# Altium PCB spd150.PcbDoc (part 14 of 16)
Units mm, origin at the board's own origin, x right, y up, seen from the top; angles counter-clockwise.
Board outline 217.35 x 147.5 mm, 10 copper layers (TOP, LYR2-PLN, LYR3-SIG, LYR4-SIG, LYR5-PLN, LYR6-PLN, LYR7-SIG, LYR8-SIG, LYR9-PLN, BOTTOM), stack 2.134 mm thick; 1065 components, 972 nets, 4226 pads, 2810 vias.
Unrouted connection lines stored in the file: 16.
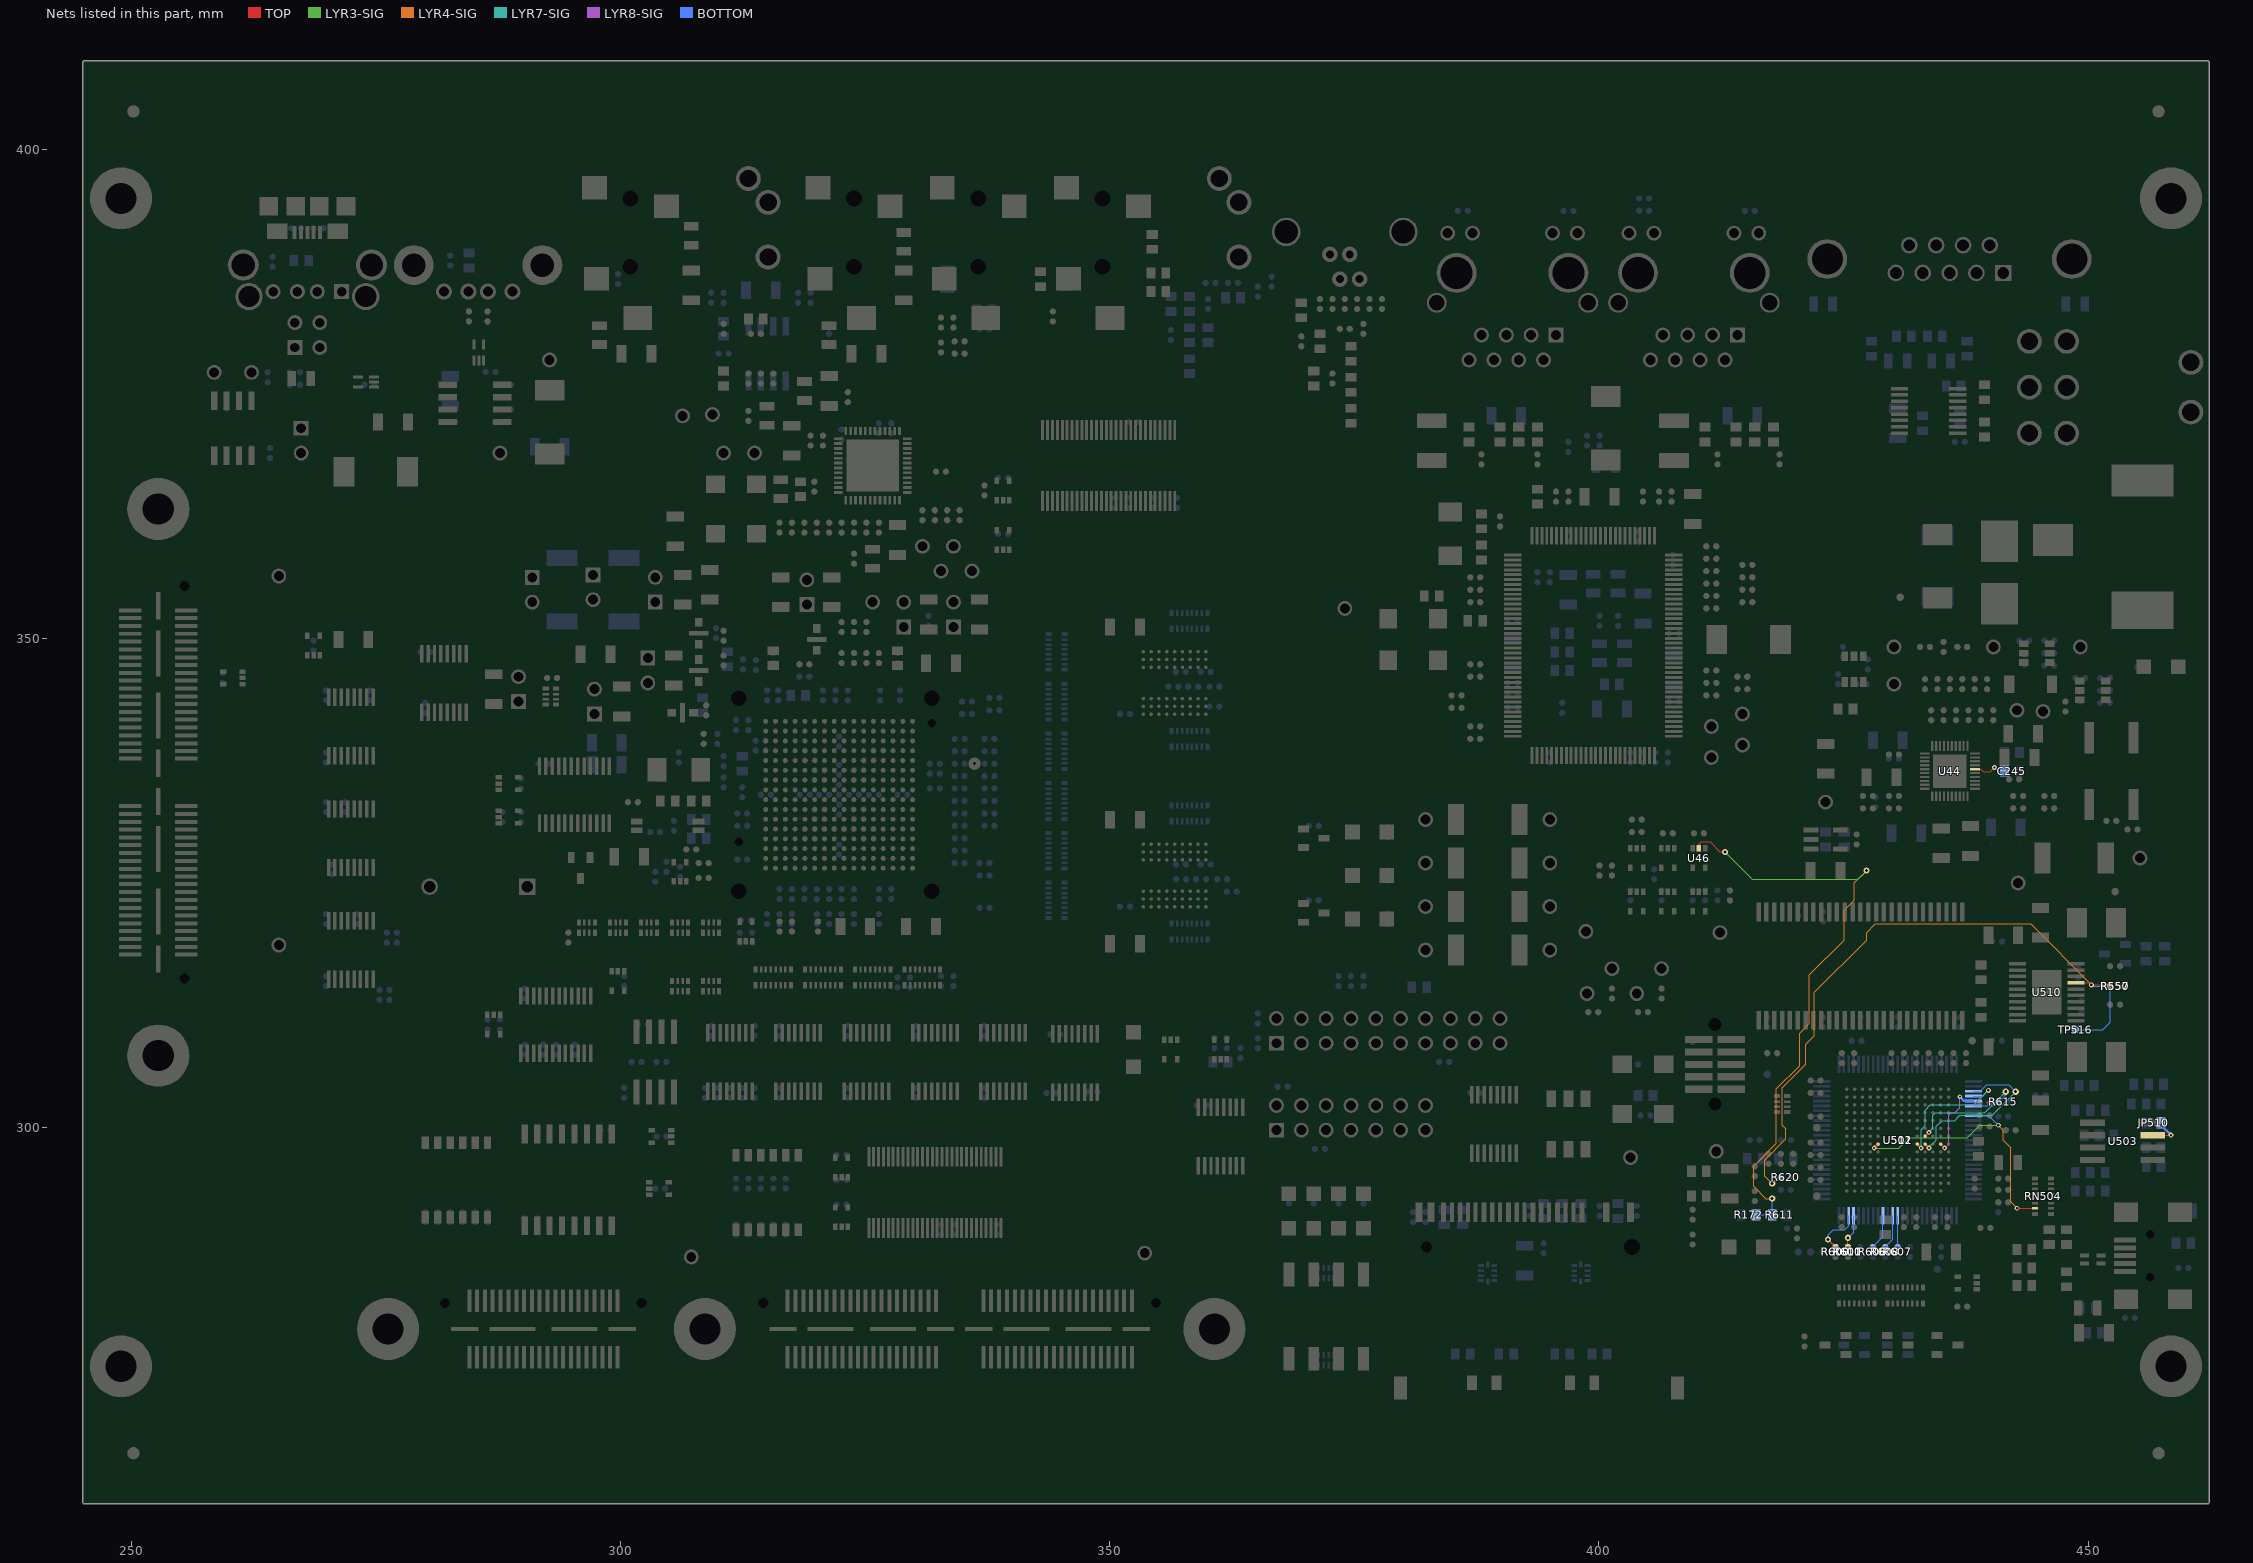
[diagram p22: the nets of this part, all layers, seen from the top]

## Via types
v1: diameter 0.635, hole 0.305, TOP to BOTTOM, 2018 vias
v2: diameter 0.483, hole 0.203, TOP to BOTTOM, 651 vias
v3: diameter 0.508, hole 0.254, TOP to BOTTOM, 120 vias
v4: diameter 0.559, hole 0.254, TOP to BOTTOM, 21 vias

## Nets (pads, with @x,y where several pads share a name; then routed paths per layer and width w, separated by ;. In a path a pad name is that pad's centre, name@x,y a point inside that pad or via, vN(x,y) a via of type N, cw(c..) or ccw(c..) an arc to the next point about the centre after c; other vN are vias at no path point) (continued)
VREG_RSN: R550.2 R557.2 R620.2 TP516.1 U510.7 | length 70.8
  TOP w0.127: U510.7@448.757,314.792 450.129,314.792 v3(450.342,314.579) 452.12,314.579 R557.2@452.247,314.452
  LYR4-SIG w0.127: v1(417.703,294.259) 416.941,295.021 416.941,296.672 419.1,298.831 419.1,299.847 418.719,300.228 418.719,304.038 421.132,306.451 421.132,308.483 422.021,309.372 422.021,313.817 427.355,319.151 427.355,319.913 428.244,320.802 444.119,320.802 v3(450.342,314.579)
  BOTTOM w0.127: v1(417.703,294.259) 418.338,294.894 R620.2@418.592,294.894 ; TP516.1@448.691,310.007 451.485,310.007 452.247,310.769 R550.2@452.247,314.452 450.469,314.452 v3(450.342,314.579)
VRTC: C245.1 U44.16 | length 3.5
  TOP w0.127: U44.16@438.429,336.624 439.039,336.624 439.29,336.372 440.004,336.372 v2(440.436,336.804)
  BOTTOM w0.127: v2(440.436,336.804) 440.817,336.423 C245.1@441.452,336.423
WPN_NC: JP510.2 U503.3 | length 3.6
  TOP w0.127: U503.3@456.603,299.212 v3(458.47,299.212)
  BOTTOM w0.254: JP510.2@457.454,300.482 457.454,300.228 v3(458.47,299.212)
XEVNT0: R600.1 R609.1 U511.73 | length 6.2
  TOP w0.127: v1(423.418,288.544) R600.1@424.18,287.782
  BOTTOM w0.127: R609.1@424.18,287.782 v1(423.418,288.544) 423.418,289.052 423.926,289.56 425.145,289.56 425.526,289.941 U511.73@425.526,290.957
XEVNT1: R601.1 R610.1 U511.72 | length 4.4
  TOP w0.127: R610.1@425.45,287.782 v1(425.45,288.722)
  BOTTOM w0.127: R601.1@425.45,287.782 v1(425.45,288.722) 426.027,289.298 U511.72@426.027,290.957
XRSN: R172.2 R611.2 U46.2 | length 62.4
  TOP w0.127: U46.2@410.21,328.524 410.21,328.93 410.464,329.184 411.353,329.184 412.369,328.168 v1(412.877,328.168)
  LYR3-SIG w0.127: v1(412.877,328.168) 415.671,325.374 426.466,325.374 v1(427.355,326.263)
  LYR4-SIG w0.127: v1(417.703,292.735) 417.068,292.735 415.798,294.005 415.798,296.037 418.135,298.374 418.135,303.962 420.497,306.324 420.497,309.626 421.513,310.642 421.513,315.595 425.069,319.151 425.069,322.199 426.085,323.215 426.085,324.993 v1(427.355,326.263)
  BOTTOM w0.127: R172.2@416.052,291.084 R611.2@417.703,291.084 v1(417.703,292.735)
XTDI: R608.1 U511.64 | length 3.5
  BOTTOM w0.127: R608.1@429.26,287.782 430.03,288.552 U511.64@430.03,290.957
XTDO: R607.1 U511.63 | length 3.2
  BOTTOM w0.127: R607.1@430.53,287.782 U511.63@430.53,290.957
XTMS: R606.1 U511.66 | length 3.6
  BOTTOM w0.127: R606.1@427.99,287.782 429.029,288.821 U511.66@429.029,290.957
ZCE0: R615.2 U502.H4 U511.31 | length 15
  TOP w0.254: U502.H4@433.332,299.105 v2(433.73,299.504)
  LYR7-SIG w0.102: v2(433.73,299.504) 433.743,299.504 434.137,299.898 434.137,301.269 434.378,301.511 438.277,301.511
  LYR7-SIG w0.127: 438.277,301.511 439.433,301.511 v1(441.579,303.657)
  BOTTOM w0.127: U511.31@438.277,302.207 440.383,302.207 R615.2@440.817,302.641 440.853,302.641 441.579,303.367 v1(441.579,303.657)
ZINT2: RN504.15 U502.G10 U511.33 | length 28.3
  TOP w0.127: v3(442.747,291.744) RN504.15@444.576,291.744
  TOP w0.254: v2(428.127,297.901) U502.G10@428.528,298.303
  LYR3-SIG w0.102: v2(428.127,297.901) 430.616,297.901 431.673,298.958 437.642,298.958
  LYR3-SIG w0.127: 437.642,298.958 438.912,300.228 v3(440.817,300.228)
  LYR4-SIG w0.127: v3(440.817,300.228) 441.325,299.72 441.325,298.704 442.087,297.942 442.087,292.405 v3(442.747,291.744)
  BOTTOM w0.127: U511.33@438.277,301.206 439.839,301.206 v3(440.817,300.228)
ZOE: U502.G2 U511.30 | length 8.3
  TOP w0.254: U502.G2@434.932,298.303 v2(435.331,297.901)
  LYR8-SIG w0.102: v2(435.331,297.901) 435.737,298.308 435.737,301.269 435.966,301.498 436.372,301.498 436.88,302.006 v2(436.88,303.149)
  BOTTOM w0.254: v2(436.88,303.149) 437.322,302.707 U511.30@438.277,302.707
ZRE: U502.G5 U511.29 | length 13.7
  TOP w0.254: U502.G5@432.532,298.303 v2(432.93,297.901)
  LYR7-SIG w0.102: v2(432.93,297.901) 432.93,299.745 433.337,300.152 433.337,301.765 433.87,302.298 438.277,302.298
  LYR7-SIG w0.127: 438.277,302.298 438.315,302.298 v3(439.801,303.784)
  BOTTOM w0.127: U511.29@438.277,303.207 439.224,303.207 v3(439.801,303.784)
ZWE: U502.G4 U511.28 | length 17.5
  TOP w0.254: U502.G4@433.332,298.303 v2(433.73,297.901)
  LYR7-SIG w0.102: v2(433.73,297.901) 433.73,297.967 434.467,298.704 434.467,300.101 435.077,300.711 436.347,300.711 436.88,301.244 438.277,301.244
  LYR7-SIG w0.127: 438.277,301.244 440.182,301.244 v1(442.595,303.657)
  BOTTOM w0.127: U511.28@438.277,303.708 438.993,303.708 439.641,304.356 441.897,304.356 v1(442.595,303.657)
pads on no net: "J201. " "J205. " "P2. " "P12. " "U1. " D21.2 D503.2 D504.2 D505.2 D506.2 D507.2 J2.9 J2.10 J5.17 J5.19 J201.4 P1.1 P1.4 P1.6 P1.9 P2.25 P2.26 P3.5 P3.6 P4.5 P4.6 P5.4 P5.5 P5.6 P6.4 P6.5 P6.6 P8.5 P8.6 P9.7 P9.MH1 P9.MH2 P10.7 P10.MH1 P10.MH2 P11.6 P11.75 P11.89 P11.90 P12.23 P13.5 P13.47 P13.53 P13.54 P13.69 P13.75 P13.76 P13.89 P13.90 RN5.1 RN5.8 RN11.1 RN11.16 RN16.8 RN16.9 RN501.1 RN501.5 RN501.6 RN501.7 RN501.8 RN501.9 RN501.10 RN501.11 RN501.12 RN501.15 RN501.16 RN502.1 RN502.2 RN502.15 RN502.16 RN504.7 RN504.8 RN504.9 RN504.10 SW2.6 SW2.7 SW6.3 SW6.6 SW6.7 SW6.8 U2.10 U2.11 U2.13 U2.14 U8.33 U8.34 U8.51 U8.52 U9.10 U9.11 U9.13 U9.14 U10.10 U10.11 U10.13 U10.14 U11.13 U11.14 U19.11 U21.E2 U22.E2 U23.3 U23.4 U23.5 U23.6 U23.11 U23.12 U23.13 U23.14 U24.10 U28.10 U32.4 U32.6 U32.9 U33.3 U33.4 U33.9 U37.1 U38.4 U38.6 U38.12 U38.30 U38.32 U41.9 U41.10 U41.11 U41.17 U41.18 U41.19 U41.24 U41.34 U41.35 U41.72 U41.73 U41.80 U41.82 U41.83 U41.86 U41.87 U41.96 U41.99 U42.1 U44.31 U45.3 U48.3 U51.1 U52.1 U53.1 U55.2 U56.2 U57.1 U58.5 U58.6 U58.10 U58.11 U58.13 U58.14 U502.A11 U502.B4 U502.B10 U502.B12 U502.C3 U502.C9 U502.D5 U502.D7 U502.D10 U502.E9 U502.E10 U502.F1 U502.G3 U502.H3 U502.H5 U502.H11 U502.J3 U502.K1 U502.K9 U502.L4 U502.M8 U502.P5 U502.P7 U510.1 U510.11 U510.20 U511.13 U511.18 U511.24 U511.26 U511.27 U511.34 U511.37 U511.45 U511.46 U511.48 U511.49 U511.53 U511.55 U511.56 U511.59 U511.60 U511.62 U511.65 U511.70 U511.78 U511.79 U511.80 U511.81 U511.83 U511.84 U511.89 U511.92 U511.93 U511.94 U511.95 U511.96 U511.97 U511.98 U511.99 U512.36 U512.40 U513.1 Z1.1 Z2.1 Z3.1 Z4.1 Z5.1 Z7.1 Z8.1 Z9.1 Z10.1
copper on no net: | length 12.2
  TOP w0.127: v1(300.543,318.135) 300.543,319.9 ; 300.543,320.942 300.543,321.879 v1(300.609,321.945) ; 322.494,314.528 322.494,313.944 322.707,313.731 v1(322.707,312.42) ; 322.494,316.154 322.494,316.647 322.707,316.86 v1(322.707,318.262) ; v3(429.364,284.582) 429.473,284.472 429.473,283.642 ; v3(429.961,285.369) 429.961,284.35 430.047,284.264 430.047,283.642
  TOP w0.254: v2(356.217,328.557) 356.619,328.155 ; v2(356.217,348.242) 356.619,347.84 ; 432.532,303.906 v2(432.93,304.305) ; 435.732,300.706 v2(436.131,301.104)
  other v1: 323.723,365.633 324.739,365.633 325.755,365.633 326.771,365.633 327.787,365.633 323.723,366.649 324.739,366.649 325.755,366.649 326.771,366.649 327.787,366.649 323.723,367.665 324.739,367.665 325.755,367.665 326.771,367.665 327.787,367.665 323.723,368.681 324.739,368.681 325.755,368.681 326.771,368.681 327.787,368.681 323.723,369.697 324.739,369.697 325.755,369.697 326.771,369.697 327.787,369.697
  other v2: 306.324,342.392 307.975,346.71 320.04,349.885 307.975,350.52

## Polygon pours and split planes (outlines as drawn)
N17156427 on TOP "TOP-N17156427" (solid, pour order 0): 254 vertices, not listed, extent 266.289,375.793 273.304,392.049
DSK_3V3 on TOP "TOP-DSK_3V3" (solid, pour order 2): 433.606,282.369 433.654,282.321 433.654,280.746 433.451,280.543 430.149,280.543 430.022,280.67 430.022,281.178 430.403,281.559 430.403,282.321 430.53,282.448 433.527,282.448 433.606,282.369
DSK_3V3 on TOP "TOP-DSK_3V3 1" (solid, pour order 4): 445.897,293.878 447.548,293.878 447.802,293.624 447.802,290.957 447.548,290.703 446.024,290.703 445.897,290.83 445.897,293.878
DSK_3V3 on TOP "TOP-DSK_3V3 2" (solid, pour order 6): 418.592,301.117 418.592,303.657 418.211,304.038 417.068,304.038 416.941,303.911 416.941,300.863 417.068,300.736 418.211,300.736 418.592,301.117
N17306324 on TOP "TOP-N17306324" (solid, pour order 10): 443.865,351.536 443.316,351.536 443.314,351.539 438.869,351.539 437.769,352.638 437.769,355.6 438.023,355.854 439.039,355.854 439.293,355.6 442.849,355.6 443.357,356.108 443.865,356.108 444.246,355.727 444.246,351.917 443.865,351.536
N17307196 on TOP "TOP-N17307196" (solid, pour order 16): 439.166,362.458 439.42,362.712 447.167,362.712 448.31,361.569 448.31,358.521 447.294,357.505 439.547,357.505 439.166,357.886 439.166,362.458
N17212921 on TOP "TOP-N17212921" (solid, pour order 20): 18 vertices, not listed, extent 318.008,373.126 323.723,374.777
VCC_1V8 on TOP "TOP-VCC_1V8" (solid, pour order 24): 430.924,338.874 430.403,339.395 430.403,340.944 430.428,340.97 430.428,342.29 430.657,342.519 431.927,342.519 432.293,342.153 432.293,340.426 432.333,340.385 432.333,340.258 432.689,339.903 432.689,339.039 432.524,338.874 430.924,338.874
VCC_1V8 on TOP "TOP-VCC_1V8 1" (solid, pour order 26): 385.318,333.248 386.842,331.724 386.842,325.628 386.334,325.12 381.254,325.12 380.492,325.882 380.492,332.486 381.254,333.248 385.318,333.248
VCC_5V on TOP "TOP-VCC_5V" (solid, pour order 34): 451.736,319.281 451.485,319.532 451.485,322.707 451.866,323.088 456.057,323.088 456.438,322.707 456.438,319.532 456.187,319.281 451.736,319.281
VCC_5V on TOP "TOP-VCC_5V 1" (solid, pour order 36): 351.282,280.162 351.155,280.289 351.155,280.67 351.282,280.797 351.282,283.845 351.028,284.099 351.028,284.353 351.155,284.48 353.06,284.48 353.441,284.099 353.441,281.051 352.552,280.162 351.282,280.162
VCC_5V on TOP "TOP-VCC_5V 2" (solid, pour order 38): 17 vertices, not listed, extent 350.774,274.32 353.441,278.765
VCC_5V on TOP "TOP-VCC_5V 3" (solid, pour order 40): 315.849,283.972 316.23,284.353 318.262,284.353 318.389,284.226 318.389,283.972 318.135,283.718 318.135,280.543 318.262,280.416 318.262,280.289 318.135,280.162 316.738,280.162 316.23,280.67 316.23,283.21 315.849,283.591 315.849,283.972
VCC_5V on TOP "TOP-VCC_5V 4" (solid, pour order 42): 74 vertices, not listed, extent 315.849,274.32 318.135,278.638
VCC_5V on TOP "TOP-VCC_5V 5" (solid, pour order 44): 298.704,280.289 298.704,283.845 298.577,283.972 298.577,284.226 298.831,284.48 301.498,284.48 301.752,284.226 301.752,283.972 301.625,283.972 300.863,283.21 300.863,280.797 300.101,280.035 298.958,280.035 298.704,280.289
VCC_5V on TOP "TOP-VCC_5V 6" (solid, pour order 46): 298.704,278.384 298.958,278.638 300.355,278.638 300.863,278.13 300.863,274.955 299.466,273.558 298.831,273.558 298.704,273.685 298.704,278.384
VCC_5V on TOP "TOP-VCC_5V 7" (solid, pour order 48): 283.972,280.035 283.21,280.797 283.21,284.226 283.591,284.607 284.988,284.607 285.623,283.972 285.623,280.416 285.242,280.035 283.972,280.035
VCC_5V on TOP "TOP-VCC_5V 8" (solid, pour order 50): 283.337,277.876 284.099,278.638 285.369,278.638 285.496,278.511 285.496,273.812 285.369,273.685 285.115,273.685 283.337,275.463 283.337,277.876
VCC_5V on TOP "TOP-VCC_5V 9" (solid, pour order 52): 248.412,351.79 247.65,351.79 247.015,352.425 247.015,353.314 247.904,354.203 251.079,354.203 252.095,353.187 252.095,351.917 251.968,351.79 251.333,351.79 251.206,351.917 248.539,351.917 248.412,351.79
VCC_5V on TOP "TOP-VCC_5V 10" (solid, pour order 54): 253.365,318.389 253.746,318.77 257.81,318.77 258.699,317.881 258.699,317.373 258.318,316.992 253.619,316.992 253.365,317.246 253.365,318.389
VCC_5V on TOP "TOP-VCC_5V 11" (solid, pour order 56): 246.761,318.135 247.396,318.77 251.968,318.77 252.095,318.643 252.095,317.5 251.079,316.484 247.777,316.484 246.761,317.5 246.761,318.135
VCC_5V on TOP "TOP-VCC_5V 12" (solid, pour order 58): 254.635,354.076 254.889,353.822 258.191,353.822 258.699,353.314 258.699,352.552 257.937,351.79 253.746,351.79 253.492,352.044 253.492,353.441 254.127,354.076 254.635,354.076
VCC_5V on TOP "TOP-VCC_5V 13" (solid, pour order 60): 435.099,352.174 434.086,353.187 433.324,353.187 433.197,353.314 433.197,355.346 432.943,355.6 432.943,356.108 433.324,356.489 435.61,356.489 437.134,354.965 437.134,354.076 435.994,352.936 435.907,352.936 435.145,352.174 435.099,352.174
N17193780 on TOP "TOP-N17193780" (solid, pour order 66): 532 vertices, not listed, extent 257.175,370.205 273.05,378.079
N18196957 on TOP "TOP-N18196957" (solid, pour order 70): 269.367,365.252 266.446,368.173 266.446,369.316 266.824,369.694 272.418,369.694 272.923,369.189 272.923,365.506 272.669,365.252 269.367,365.252
CPU_1V2 on TOP "TOP-CPU_1V2" (solid, pour order 76): 451.891,326.39 451.079,327.203 451.079,328.346 451.333,328.6 451.739,328.6 451.942,328.803 454.914,328.803 455.93,327.787 455.93,327.279 455.041,326.39 451.891,326.39
CPU_1V2 on TOP "TOP-CPU_1V2 1" (solid, pour order 82): 312.928,345.821 311.912,346.837 311.912,355.219 312.547,355.854 313.817,355.854 314.579,355.092 314.579,347.091 313.309,345.821 312.928,345.821
N21432690 on TOP "TOP-N21432690" (solid, pour order 88): 308.991,348.996 307.594,348.996 307.594,349.758 309.88,349.758 310.134,350.012 310.642,350.012 310.769,349.885 310.769,348.107 310.642,347.98 310.007,347.98 308.991,348.996
N21432686 on TOP "TOP-N21432686" (solid, pour order 90): 308.61,345.948 309.245,345.313 309.245,343.154 308.991,342.9 308.61,342.9 306.705,344.805 306.705,345.059 307.594,345.948 308.61,345.948
N16874132 on TOP "TOP-N16874132" (solid, pour order 92): 205 vertices, not listed, extent 285.623,372.999 294.894,386.334
USBVIN on TOP "TOP-USBVIN" (solid, pour order 106): 450.723,282.067 450.723,281.051 451.358,280.416 451.358,278.384 451.739,278.003 452.501,278.003 452.882,278.384 452.882,280.67 452.374,281.178 452.12,281.432 452.12,283.337 451.866,283.591 451.612,283.591 450.723,282.702 450.723,282.067
N16299235 on TOP "TOP-N16299235" (solid, pour order 110): 72 vertices, not listed, extent 443.865,305.435 452.755,313.182
N16299267 on TOP "TOP-N16299267" (solid, pour order 112): 52 vertices, not listed, extent 443.865,305.435 456.946,322.834
N17058140 on TOP "TOP-N17058140" (solid, pour order 126): 328.041,352.044 328.168,352.171 334.772,352.171 334.899,352.044 334.899,350.393 334.772,350.266 328.168,350.266 328.041,350.393 328.041,352.044
VCC_1V2 on TOP "TOP-VCC_1V2" (solid, pour order 134): 108 vertices, not listed, extent 442.214,324.836 445.389,331.978
N17367683 on TOP "TOP-N17367683" (solid, pour order 140): 318.262,354.076 318.389,354.203 321.564,354.203 322.326,353.441 322.326,352.806 322.199,352.679 321.31,352.679 320.929,352.298 320.929,350.901 320.675,350.647 318.77,350.647 318.262,351.155 318.262,354.076
DSK_1V8_SYS_OKAY on TOP "TOP-DSK_1V8_SYS_OKAY" (solid, pour order 146): 21 vertices, not listed, extent 426.592,347.472 433.197,350.266
DSK_1V2_SYS_OKAY on TOP "TOP-DSK_1V2_SYS_OKAY" (solid, pour order 148): 114 vertices, not listed, extent 434.594,348.234 443.484,352.425
GND on TOP "TOP-GND" (solid, pour order 150): 446.278,306.07 443.103,306.07 442.976,305.943 442.976,304.927 443.103,304.8 446.278,304.8 446.405,304.927 446.405,305.943 446.278,306.07
GND on TOP "TOP-GND 1" (solid, pour order 152): 461.391,368.554 461.391,363.982 461.137,363.728 451.739,363.728 451.104,364.363 451.104,368.046 451.866,368.808 461.137,368.808 461.391,368.554
GND on TOP "TOP-GND 2" (solid, pour order 154): 461.137,355.727 461.137,350.012 460.375,349.25 451.485,349.25 450.723,350.012 450.723,355.219 452.12,356.616 460.248,356.616 461.137,355.727
GND on TOP "TOP-GND 3" (solid, pour order 156): 435.483,362.712 437.007,361.188 437.007,360.172 436.88,360.045 432.562,360.045 432.054,360.553 432.054,361.188 433.578,362.712 435.483,362.712
GND on TOP "TOP-GND 4" (solid, pour order 160): 32 vertices, not listed, extent 263.525,384.556 266.7,389.636
DSK_3V3 on LYR6-PLN "LYR6-PLN-DSK_3V3" (solid, pour order 8): 928 vertices, not listed, extent 245.745,272.415 461.645,398.145
ENET_VDDA on LYR6-PLN "LYR6-PLN-ENET_VDDA" (solid, pour order 114): 404 vertices, not listed, extent 396.113,356.235 410.591,365.379
N17306324 on BOTTOM "BOTTOM-N17306324" (solid, pour order 12): 36 vertices, not listed, extent 437.388,351.79 453.771,382.651
N17307196 on BOTTOM "BOTTOM-N17307196" (solid, pour order 18): 148 vertices, not listed, extent 433.832,353.822 444.246,362.458
VCC_1V8 on BOTTOM "BOTTOM-VCC_1V8" (solid, pour order 22): 29 vertices, not listed, extent 430.708,337.515 432.968,340.335
CPU_3V3 on BOTTOM "BOTTOM-CPU_3V3" (solid, pour order 64): 296.037,343.789 295.529,344.297 295.529,345.567 296.418,346.456 296.418,353.949 297.053,354.584 299.847,354.584 301.498,352.933 301.498,346.837 301.879,346.456 303.276,346.456 304.165,345.567 304.165,344.932 303.022,343.789 296.037,343.789
DVDD on BOTTOM "BOTTOM-DVDD" (solid, pour order 102): 480 vertices, not listed, extent 324.993,328.803 329.057,334.518
USBVIN on BOTTOM "BOTTOM-USBVIN" (solid, pour order 108): 21 vertices, not listed, extent 447.548,280.035 454.025,284.226
ENET_VDDATR on BOTTOM "BOTTOM-ENET_VDDATR" (solid, pour order 118): 59 vertices, not listed, extent 409.194,371.602 414.274,379.603
ENET_VDDATR on BOTTOM "BOTTOM-ENET_VDDATR 1" (solid, pour order 120): 388.62,371.729 388.239,372.11 388.239,375.793 390.271,377.825 390.271,378.46 391.287,379.476 392.43,379.476 392.811,379.095 392.811,377.19 390.398,374.777 390.398,372.237 389.89,371.729 388.62,371.729
DSK_1V8_SYS_OKAY on BOTTOM "BOTTOM-DSK_1V8_SYS_OKAY" (solid, pour order 144): 429.768,347.853 429.26,348.361 429.26,349.758 429.768,350.266 432.816,350.266 433.197,349.885 433.197,349.382 433.192,349.382 433.192,348.864 433.197,348.864 433.197,348.107 432.943,347.853 429.768,347.853
GND on BOTTOM "BOTTOM-GND" (solid, pour order 158): 831 vertices, not listed, extent 319.151,333.657 325.717,340.487
GND on BOTTOM "BOTTOM-GND 1" (solid, pour order 162): 198 vertices, not listed, extent 314.706,343.662 318.516,351.028
N17306324 on LYR4-SIG "LYR4-SIG-N17306324" (solid, pour order 14): 127 vertices, not listed, extent 436.88,351.536 454.342,383.413
N16404807 on LYR4-SIG "LYR4-SIG-N16404807" (solid, pour order 32): 501 vertices, not listed, extent 417.21,294.513 427.101,299.212
N20333449 on LYR4-SIG "LYR4-SIG-N20333449" (solid, pour order 68): 608 vertices, not listed, extent 307.34,334.772 319.151,341.63
N20301254 on LYR4-SIG "LYR4-SIG-N20301254" (solid, pour order 74): 408 vertices, not listed, extent 314.579,339.471 317.119,346.456
CVDD on LYR4-SIG "LYR4-SIG-CVDD" (solid, pour order 96): 931 vertices, not listed, extent 320.043,329.184 332.24,334.391
GND_E_ENET on LYR4-SIG "LYR4-SIG-GND_E_ENET" (solid, pour order 124): 1107 vertices, not listed, extent 378.46,371.856 419.354,385.572
N17058140 on LYR4-SIG "LYR4-SIG-N17058140" (solid, pour order 128): 769 vertices, not listed, extent 319.151,333.883 335.28,352.425
VCC_1V8 on LYR7-SIG "LYR7-SIG-VCC_1V8" (solid, pour order 28): 655 vertices, not listed, extent 370.586,320.167 439.039,340.36
USB_USBVDD on LYR7-SIG "LYR7-SIG-USB_USBVDD" (solid, pour order 72): 229 vertices, not listed, extent 434.462,291.719 440.817,296.037
CPU_1V2 on LYR7-SIG "LYR7-SIG-CPU_1V2" (solid, pour order 78): 1561 vertices, not listed, extent 343.662,326.136 459.232,363.918
CVDD on LYR7-SIG "LYR7-SIG-CVDD" (solid, pour order 98): 2505 vertices, not listed, extent 289.052,319.024 332.486,358.14
ALT_CPU_1V2 on LYR7-SIG "LYR7-SIG-ALT_CPU_1V2" (solid, pour order 100): 2757 vertices, not listed, extent 285.623,338.709 421.259,361.442
DSK_1V8 on LYR7-SIG "LYR7-SIG-DSK_1V8" (solid, pour order 132): 373 vertices, not listed, extent 392.43,326.072 431.292,344.424
USB_1.6V on LYR9-PLN "LYR9-PLN-USB_1.6V" (solid, pour order 30): 1926 vertices, not listed, extent 408.816,277.371 447.418,318.008
VCC_5V on LYR9-PLN "LYR9-PLN-VCC_5V" (solid, pour order 62): 2202 vertices, not listed, extent 245.999,272.542 461.518,398.018
USB_2.5V on LYR9-PLN "LYR9-PLN-USB_2.5V" (solid, pour order 94): 1563 vertices, not listed, extent 402.844,272.542 461.645,319.405
DVDD on LYR9-PLN "LYR9-PLN-DVDD" (solid, pour order 104): 3128 vertices, not listed, extent 286.258,316.484 338.455,360.68
VCC_3V3 on LYR9-PLN "LYR9-PLN-VCC_3V3" (solid, pour order 130): 1861 vertices, not listed, extent 265.684,303.149 434.213,351.155
CPU_1V2 on LYR3-SIG "LYR3-SIG-CPU_1V2" (solid, pour order 80): 212 vertices, not listed, extent 289.179,350.266 315.341,356.362
ENET_VDDATR on LYR3-SIG "LYR3-SIG-ENET_VDDATR" (solid, pour order 116): 400 vertices, not listed, extent 388.493,360.934 411.861,382.143
VLDO2 on LYR3-SIG "LYR3-SIG-VLDO2" (solid, pour order 138): 831 vertices, not listed, extent 419.735,328.168 446.786,344.043
GND_E_RS232 on LYR3-SIG "LYR3-SIG-GND_E_RS232" (solid, pour order 142): 36 vertices, not listed, extent 419.862,377.444 452.882,397.51
CPU_1V2 on LYR8-SIG "LYR8-SIG-CPU_1V2" (solid, pour order 84): 940 vertices, not listed, extent 312.293,349.758 348.869,359.283
ENET_VDDIO on LYR8-SIG "LYR8-SIG-ENET_VDDIO" (solid, pour order 122): 241 vertices, not listed, extent 391.16,338.836 406.512,352.425
ALT_3V3 on LYR8-SIG "LYR8-SIG-ALT_3V3" (solid, pour order 136): 505 vertices, not listed, extent 401.701,319.659 454.914,351.409
GND_EARTH on LYR5-PLN "LYR5-PLN-GND_EARTH" (solid, pour order 86): 618 vertices, not listed, extent 245.872,379.603 278.511,398.145
GND on LYR5-PLN "LYR5-PLN-GND" (solid, pour order 164): 2179 vertices, not listed, extent 245.872,272.415 461.645,398.145
GND on LYR2-PLN "LYR2-PLN-GND" (solid, pour order 166): 2100 vertices, not listed, extent 245.872,272.415 461.645,398.145
no net on ASSY (solid): 383.266,341.361 384.637,341.361 385.704,340.294 385.704,336.56 384.637,335.493 383.266,335.493 383.266,341.361
no net on ASSY (solid): 381.323,335.493 379.951,335.493 378.884,336.56 378.884,340.294 379.951,341.361 381.323,341.361 381.323,335.493
no net on ASSY (solid): 365.206,359.192 366.578,359.192 367.645,358.125 367.645,354.391 366.578,353.324 365.206,353.324 365.206,359.192
no net on ASSY (solid): 363.263,353.324 361.892,353.324 360.825,354.391 360.825,358.125 361.892,359.192 363.263,359.192 363.263,353.324
no net on ASSY (solid): 368.064,342.047 369.435,342.047 370.502,340.98 370.502,337.246 369.435,336.179 368.064,336.179 368.064,342.047
no net on ASSY (solid): 366.121,336.179 364.749,336.179 363.682,337.246 363.682,340.98 364.749,342.047 366.121,342.047 366.121,336.179
no net on FILMMASKTOP (solid): 251.46,265.43 251.46,267.97 248.92,267.97 248.92,265.43 251.46,265.43
no net on FILMMASKTOP (solid): 251.46,402.59 251.46,405.13 248.92,405.13 248.92,402.59 251.46,402.59
no net on FILMMASKTOP (solid): 458.47,402.59 458.47,405.13 455.93,405.13 455.93,402.59 458.47,402.59
no net on FILMMASKTOP (solid): 458.47,265.43 458.47,267.97 455.93,267.97 455.93,265.43 458.47,265.43

## Keep-outs
TOP:
  circle w0.025: c457.2,266.7 r1.905
  circle w0.025: c457.2,266.7 r1.905
  circle w0.025: c250.19,266.7 r1.905
  circle w0.025: c250.19,266.7 r1.905
  circle w0.025: c250.19,403.86 r1.905
  circle w0.025: c250.19,403.86 r1.905
  circle w0.025: c457.2,403.86 r1.905
  circle w0.025: c457.2,403.86 r1.905
LYR2-PLN:
  lines w0.635: 294.132,398.78 294.132,393.065 295.529,391.668 295.529,384.175 298.577,381.127 311.531,381.127 314.833,377.825 314.833,368.427 315.595,367.665 319.659,367.665 323.215,371.221 328.422,371.221 336.296,379.095 376.936,379.095 379.222,381.381 379.222,386.461 377.19,388.493 377.19,398.78
BOTTOM:
  circle w0.025: c250.19,266.7 r1.905
  circle w0.025: c250.19,266.7 r1.905
  circle w0.025: c250.19,403.86 r1.905
  circle w0.025: c250.19,403.86 r1.905
  circle w0.025: c457.2,403.86 r1.905
  circle w0.025: c457.2,403.86 r1.905
  circle w0.025: c457.2,266.7 r1.905
  circle w0.025: c457.2,266.7 r1.905
Keep-Out Layer:
  lines w0.178: 245.11,271.78 245.11,261.62 462.28,261.62 462.28,271.78 ; 245.11,271.78 462.28,271.78 ; 245.11,271.78 245.11,398.78 ; 245.11,398.78 245.11,408.94 462.28,408.94 462.28,398.78 ; 245.11,398.78 263.906,398.78 263.906,396.113 272.161,396.113 272.161,398.78 462.28,398.78 ; 462.28,271.78 462.28,398.78

## Other copper
TOP:
  region net N17242129: 440.906,327.025 440.906,330.937 439.991,330.937 439.28,330.225 439.28,327.736 439.991,327.025 440.906,327.025
  region net VCC_1V2: 442.201,330.937 442.201,327.025 443.116,327.025 443.827,327.736 443.827,330.225 443.116,330.937 442.201,330.937
  region net VCC_3V3: 430.771,327.482 430.771,331.394 429.857,331.394 429.146,330.683 429.146,328.193 429.857,327.482 430.771,327.482
  region net N17240835: 432.067,331.394 432.067,327.482 432.981,327.482 433.692,328.193 433.692,330.683 432.981,331.394 432.067,331.394
  region net VCC_1V8: 430.162,342.824 430.162,338.912 431.076,338.912 431.787,339.623 431.787,342.113 431.076,342.824 430.162,342.824
  region net N17241029: 428.866,338.912 428.866,342.824 427.952,342.824 427.241,342.113 427.241,339.623 427.952,338.912 428.866,338.912
  pour cut-out: 260.251,375.92 260.21,376.125 260.094,376.299 259.92,376.415 259.715,376.456 259.51,376.415 259.336,376.299 259.22,376.125 259.179,375.92 259.22,375.715 259.336,375.541 259.51,375.425 259.715,375.384 259.92,375.425 260.094,375.541 260.21,375.715 260.251,375.92
  pour cut-out: 260.251,372.237 260.21,372.442 260.094,372.616 259.92,372.732 259.715,372.773 259.51,372.732 259.336,372.616 259.22,372.442 259.179,372.237 259.22,372.032 259.336,371.858 259.51,371.742 259.715,371.701 259.92,371.742 260.094,371.858 260.21,372.032 260.251,372.237
  pour cut-out: 313.591,348.615 313.55,348.82 313.434,348.994 313.26,349.11 313.055,349.151 312.85,349.11 312.676,348.994 312.56,348.82 312.519,348.615 312.56,348.41 312.676,348.236 312.85,348.12 313.055,348.079 313.26,348.12 313.434,348.236 313.55,348.41 313.591,348.615
  pour cut-out: 456.466,315.722 456.425,315.927 456.309,316.101 456.135,316.217 455.93,316.258 455.725,316.217 455.551,316.101 455.435,315.927 455.394,315.722 455.435,315.517 455.551,315.343 455.725,315.227 455.93,315.186 456.135,315.227 456.309,315.343 456.425,315.517 456.466,315.722
  text "09-10-09" at 337.312,403.352 h3.81
  text "09-10-09" at 337.185,264.541 h3.81
  text "LAYER 1" at 350.52,201.295 h1.4
  text "COMPONENT" at 348.615,198.12 h1.4
LYR2-PLN:
  drawing of 3575 lines, arcs and shapes, not listed
  text "LAYER 2" at 350.52,201.295 h1.4
  text "GROUND" at 351.155,198.12 h1.4
LYR3-SIG:
  drawing of 130 lines, arcs and shapes, not listed
  text "LAYER 3" at 350.52,201.295 h1.4
  text "SIGNAL" at 351.155,198.12 h1.4
LYR4-SIG:
  drawing of 143 lines, arcs and shapes, not listed
  text "LAYER 4" at 350.52,201.295 h1.4
  text "SIGNAL" at 351.155,198.12 h1.4
LYR5-PLN:
  drawing of 3564 lines, arcs and shapes, not listed
  text "LAYER 5" at 350.52,201.295 h1.4
  text "GROUND" at 351.155,198.12 h1.4
LYR6-PLN:
  drawing of 4575 lines, arcs and shapes, not listed
  text "LAYER 6" at 350.52,201.295 h1.4
  text "POWER" at 351.79,198.12 h1.4
LYR7-SIG:
  drawing of 570 lines, arcs and shapes, not listed
  text "LAYER 7" at 350.52,201.295 h1.4
  text "SIGNAL" at 351.155,198.12 h1.4
LYR8-SIG:
  drawing of 279 lines, arcs and shapes, not listed
  text "LAYER 8" at 350.52,201.295 h1.4
  text "SIGNAL" at 351.155,198.12 h1.4
LYR9-PLN:
  drawing of 4467 lines, arcs and shapes, not listed
  text "LAYER 9" at 350.52,201.295 h1.4
  text "POWER" at 351.79,198.12 h1.4
BOTTOM:
  pour cut-out: 449.287,380.365 449.259,380.655 449.174,380.933 449.037,381.19 448.852,381.415 448.627,381.6 448.37,381.737 448.092,381.822 447.802,381.85 447.512,381.822 447.234,381.737 446.977,381.6 446.752,381.415 446.567,381.19 446.43,380.933 446.345,380.655 446.317,380.365 446.345,380.075 446.43,379.797 446.567,379.54 446.752,379.315 446.977,379.13 447.234,378.993 447.512,378.908 447.802,378.88 448.092,378.908 448.37,378.993 448.627,379.13 448.852,379.315 449.037,379.54 449.174,379.797 449.259,380.075 449.287,380.365
  pour cut-out: 445.477,380.365 445.449,380.655 445.364,380.933 445.227,381.19 445.042,381.415 444.817,381.6 444.56,381.737 444.282,381.822 443.992,381.85 443.702,381.822 443.424,381.737 443.167,381.6 442.942,381.415 442.757,381.19 442.62,380.933 442.535,380.655 442.507,380.365 442.535,380.075 442.62,379.797 442.757,379.54 442.942,379.315 443.167,379.13 443.424,378.993 443.702,378.908 443.992,378.88 444.282,378.908 444.56,378.993 444.817,379.13 445.042,379.315 445.227,379.54 445.364,379.797 445.449,380.075 445.477,380.365
  pour cut-out: 0,0 0.254,0 0.254,0.254 0,0.254
  pour cut-out: 0,0 0.254,0 0.254,0.254 0,0.254
  pour cut-out: 0,0 0.254,0 0.254,0.254 0,0.254
  pour cut-out: 0,0 0.254,0 0.254,0.254 0,0.254
  pour cut-out: 300.764,348.361 300.723,348.566 300.607,348.74 300.433,348.856 300.228,348.897 300.023,348.856 299.849,348.74 299.733,348.566 299.692,348.361 299.733,348.156 299.849,347.982 300.023,347.866 300.228,347.825 300.433,347.866 300.607,347.982 300.723,348.156 300.764,348.361
  pour cut-out: 328.688,333.009 328.661,333.145 328.584,333.26 328.469,333.337 328.333,333.364 328.197,333.337 328.082,333.26 328.005,333.145 327.978,333.009 328.005,332.873 328.082,332.758 328.197,332.681 328.333,332.654 328.469,332.681 328.584,332.758 328.661,332.873 328.688,333.009
  pour cut-out: 327.687,333.009 327.66,333.145 327.583,333.26 327.468,333.337 327.332,333.364 327.197,333.337 327.081,333.26 327.005,333.145 326.978,333.009 327.005,332.873 327.081,332.758 327.197,332.681 327.332,332.654 327.468,332.681 327.583,332.758 327.66,332.873 327.687,333.009
  pour cut-out: 327.687,332.008 327.66,332.144 327.583,332.259 327.468,332.336 327.332,332.363 327.197,332.336 327.081,332.259 327.005,332.144 326.978,332.008 327.005,331.873 327.081,331.758 327.197,331.681 327.332,331.654 327.468,331.681 327.583,331.758 327.66,331.873 327.687,332.008
  pour cut-out: 321.683,338.013 321.656,338.149 321.579,338.264 321.464,338.341 321.328,338.368 321.192,338.341 321.077,338.264 321,338.149 320.973,338.013 321,337.877 321.077,337.762 321.192,337.685 321.328,337.658 321.464,337.685 321.579,337.762 321.656,337.877 321.683,338.013
  pour cut-out: 0,0 0.254,0 0.254,0.254 0,0.254
  pour cut-out: 0,0 0.254,0 0.254,0.254 0,0.254
  pour cut-out: 0,0 0.254,0 0.254,0.254 0,0.254
  pour cut-out: 0,0 0.254,0 0.254,0.254 0,0.254
  pour cut-out: 0,0 0.254,0 0.254,0.254 0,0.254
  pour cut-out: 0,0 0.254,0 0.254,0.254 0,0.254
  pour cut-out: 0,0 0.254,0 0.254,0.254 0,0.254
  pour cut-out: 0,0 0.254,0 0.254,0.254 0,0.254
  pour cut-out: 320.682,339.014 320.655,339.15 320.578,339.265 320.463,339.342 320.327,339.369 320.191,339.342 320.076,339.265 319.999,339.15 319.972,339.014 319.999,338.878 320.076,338.763 320.191,338.686 320.327,338.659 320.463,338.686 320.578,338.763 320.655,338.878 320.682,339.014
  pour cut-out: 321.683,339.014 321.656,339.15 321.579,339.265 321.464,339.342 321.328,339.369 321.192,339.342 321.077,339.265 321,339.15 320.973,339.014 321,338.878 321.077,338.763 321.192,338.686 321.328,338.659 321.464,338.686 321.579,338.763 321.656,338.878 321.683,339.014
  pour cut-out: 324.685,339.014 324.658,339.15 324.581,339.265 324.466,339.342 324.33,339.369 324.194,339.342 324.079,339.265 324.002,339.15 323.975,339.014 324.002,338.878 324.079,338.763 324.194,338.686 324.33,338.659 324.466,338.686 324.581,338.763 324.658,338.878 324.685,339.014
  pour cut-out: 321.683,340.015 321.656,340.15 321.579,340.265 321.464,340.342 321.328,340.369 321.192,340.342 321.077,340.265 321,340.15 320.973,340.015 321,339.879 321.077,339.764 321.192,339.687 321.328,339.66 321.464,339.687 321.579,339.764 321.656,339.879 321.683,340.015
  text "PWB 511341 REV F" at 291.465,363.22 h2.03
  text "LOGIC 511342 REV F" at 295.275,360.045 h2.03
  text "LAYER 10" at 349.25,201.295 h1.4
  text "SOLDER" at 350.52,198.12 h1.4

## Silkscreen, mask and mechanical layers (free items; w line width, h text height)
Top Overlay:
  drawing of 11417 lines, arcs and shapes, not listed
  text "USB1" at 278.13,394.208 h0.89 r90
  text "USB0" at 260.731,393.827 h0.89 r90
  text "IN" at 344.043,393.7 h0.89 r90
  text "OUT" at 295.656,392.43 h0.89 r90
  text "IN" at 331.597,392.303 h0.89 r90
  text "UART" at 453.136,392.303 h1.27 r90
  text "LINE" at 344.043,389.128 h0.89 r90
  text "MIC" at 331.47,388.747 h0.89 r90
  text "HP OUT" at 318.897,388.62 h0.89 r90
  text "LINE" at 295.656,387.985 h0.89 r90
  text "ENET-P1" at 419.354,387.985 h1.27 r90
  text "ENET-P2" at 400.812,387.858 h1.27 r90
  text "BELOW" at 278.257,362.839 h0.89
  text "U38" at 279.273,361.315 h0.89
  text "GND" at 265.43,358.14 h0.89 r90
  text "5V" at 445.389,355.6 h1.27
  text "1" at 247.904,355.219 h0.89
  text "IN" at 445.389,353.695 h1.27
  text "A1" at 360.045,349.885 h0.89
  text "GND" at 374.396,348.488 h0.89 r90
  text "A1" at 310.515,343.027 h1.27 r90
  text "A16" at 334.406,340.205 h0.89 r90
  text "1" at 433.07,332.613 h0.89
  text "1.2V" at 368.173,331.978 h1.27
  text "A1" at 360.426,330.327 h0.89
  text "CPU 1.8V" at 384.81,328.803 h0.89
  text "1.8V" at 367.665,325.882 h1.27
  text "EMIFB CLK" at 337.947,325.501 h0.89 r90
  text "T16" at 334.462,325.168 h0.89 r90
  text "CPU" at 454.279,324.993 h0.89
  text "DSK 1.8V" at 384.937,324.358 h0.89
  text "1.2V" at 453.644,323.723 h0.89
  text "CPU" at 438.658,323.342 h0.89
  text "1.2V" at 439.547,322.199 h0.89
  text "GND" at 265.557,320.294 h0.89 r90
  text "AUDIO EXPANSION" at 260.985,320.167 h1.27 r90
  text "DSK 3.3V" at 384.81,319.913 h0.89
  text "3.3V" at 367.919,318.516 h1.27
  text "GND" at 412.75,315.595 h0.89 r90
  text "CPU3.3V" at 385.318,315.214 h0.89
  text "ARM JTAG" at 375.539,312.928 h1.27
  text "1" at 414.782,309.753 h0.89
  text "1" at 367.538,306.197 h0.89 r90
  text "TI JTAG" at 370.967,303.911 h1.27
  text "USB EMU ON" at 351.028,302.768 h0.89 r90
  text "7" at 311.404,298.323 h0.89
  text "2" at 312.674,298.323 h0.89
  text "1" at 313.944,298.323 h0.89
  text "0" at 315.214,298.323 h0.89
  text "3" at 316.484,298.323 h0.89
  text "H" at 309.118,297.942 h1.27
  text "H" at 277.241,297.688 h1.27
  text "1" at 367.538,297.307 h0.89 r90
  text "GND" at 404.622,296.291 h0.89
  text "EMBED" at 455.168,293.878 h0.89
  text "MEDIA CARD" at 380.365,293.37 h1.27
  text "USB" at 455.93,292.608 h0.89
  text "A1" at 437.769,291.592 h0.89 r90
  text "BOOT" at 308.864,291.084 h1.27 r90
  text "CFG_EN" at 276.225,289.433 h1.27 r90
  text "SERIAL EXPANSION" at 281.178,286.512 h1.27
  text "GND" at 354.965,286.004 h0.89
  text "EMIF-A EXPANSION" at 325.247,285.75 h1.27
  text "GND" at 308.61,285.369 h0.89
  text "1" at 314.452,274.32 h0.89
  text "1" at 282.448,274.193 h0.89
  text "0" at 367.665,272.288 h1.27
  text "1" at 370.332,272.288 h1.27
  text "2" at 372.745,272.288 h1.27
  text "3" at 375.412,272.288 h1.27
  text "UPPER RT U502" at 410.718,272.288 h0.89
  text "TSLKC" at 348.107,198.755 h2.54
Bottom Overlay:
  lines w0.152: 285.75,333.756 305.943,333.756 308.483,333.756 309.88,335.153 ; 301.752,328.676 302.387,328.676 ; 303.911,343.154 304.927,343.154 306.07,344.297 306.705,344.297 307.086,343.916 307.086,340.233 307.848,340.233 ; 304.927,324.358 305.435,326.644 305.054,326.644 ; 306.832,345.567 315.087,345.567 315.722,345.059 ; 311.023,320.929 311.785,321.056 ; 313.436,318.389 314.579,316.865 ; 316.357,345.948 316.357,345.567 316.992,344.805 ; 317.627,350.012 318.135,347.853 ; 319.786,346.202 320.802,346.964 320.802,347.853 ; 327.406,356.108 327.406,353.949 326.009,352.552 ; 339.979,317.881 334.645,317.881 330.327,322.199 328.93,322.199 ; 341.757,312.547 339.979,312.547 339.979,319.405 343.154,319.405 ; 360.045,325.755 360.553,326.263 365.125,326.263 ; 363.728,384.302 364.109,383.921 364.109,383.667 ; 367.919,358.14 353.314,358.14 348.361,353.187 341.249,353.187 338.201,350.139 338.201,344.932 ; 396.113,345.821 395.097,344.805 395.097,340.868 397.383,338.582 397.383,337.82 ; 302.387,328.676 313.436,328.676 313.436,332.74 307.467,332.74 304.8,332.74 304.8,330.962 302.387,330.962 302.387,328.676 ; 326.009,352.552 326.009,346.837 325.882,346.71 321.818,346.71 321.818,352.552 326.009,352.552 ; 328.93,322.199 328.93,324.866 328.803,324.993 314.325,324.993 314.325,320.167 328.93,320.167 328.93,322.199 ; 338.201,344.932 339.852,344.932 339.852,324.866 330.962,324.866 330.962,344.932 338.201,344.932 ; 246.38,280.67 272.415,280.67 272.415,300.355 255.905,300.355 246.38,300.355 246.38,280.67 ; 282.702,331.343 282.702,340.36 284.353,340.36 284.353,339.344 285.75,339.344 285.75,335.788 285.75,331.343 282.702,331.343 ; 289.179,326.644 301.752,326.644 301.752,331.089 298.069,331.089 293.243,331.089 293.243,328.295 293.116,328.168 289.179,328.168 289.179,326.644 ; 309.88,333.375 309.88,338.709 313.182,338.709 313.182,333.375 309.88,333.375 ; 325.882,356.108 329.946,356.108 329.946,363.601 326.517,363.601 325.882,363.601 325.882,356.108 ; 367.919,356.235 379.603,356.235 379.603,375.539 367.919,375.539 367.919,356.235
  text "UNDER BGA IN MIDDLE" at 271.145,300.99 h0.89
  text "BSLKC" at 348.615,198.755 h2.54
Top Paste:
  pour cut-out: 440.906,327.025 440.906,330.937 439.991,330.937 439.28,330.225 439.28,327.736 439.991,327.025 440.906,327.025
  pour cut-out: 442.201,330.937 442.201,327.025 443.116,327.025 443.827,327.736 443.827,330.225 443.116,330.937 442.201,330.937
  pour cut-out: 430.771,327.482 430.771,331.394 429.857,331.394 429.146,330.683 429.146,328.193 429.857,327.482 430.771,327.482
  pour cut-out: 432.067,331.394 432.067,327.482 432.981,327.482 433.692,328.193 433.692,330.683 432.981,331.394 432.067,331.394
  pour cut-out: 430.162,342.824 430.162,338.912 431.076,338.912 431.787,339.623 431.787,342.113 431.076,342.824 430.162,342.824
  pour cut-out: 428.866,338.912 428.866,342.824 427.952,342.824 427.241,342.113 427.241,339.623 427.952,338.912 428.866,338.912
Top Solder:
  pour cut-out: 440.957,326.974 440.957,330.987 439.966,330.987 439.229,330.251 439.229,327.711 439.966,326.974 440.957,326.974
  pour cut-out: 442.15,330.987 442.15,326.974 443.141,326.974 443.878,327.711 443.878,330.251 443.141,330.987 442.15,330.987
  pour cut-out: 430.822,327.431 430.822,331.445 429.832,331.445 429.095,330.708 429.095,328.168 429.832,327.431 430.822,327.431
  pour cut-out: 432.016,331.445 432.016,327.431 433.006,327.431 433.743,328.168 433.743,330.708 433.006,331.445 432.016,331.445
  pour cut-out: 430.111,342.875 430.111,338.861 431.101,338.861 431.838,339.598 431.838,342.138 431.101,342.875 430.111,342.875
  pour cut-out: 428.917,338.861 428.917,342.875 427.926,342.875 427.19,342.138 427.19,339.598 427.926,338.861 428.917,338.861
  text "SMC" at 351.155,198.755 h2.54
Bottom Solder:
  text "SMS" at 351.79,198.755 h2.54
Mechanical 1:
  lines w0.025: 313.69,325.501 330.835,325.501 330.835,342.519 313.69,342.519 313.69,325.501 ; 352.425,321.945 360.68,321.945 360.68,330.2 352.425,330.2 352.425,321.945 ; 352.425,341.63 360.68,341.63 360.68,349.885 352.425,349.885 352.425,341.63 ; 422.656,304.8 422.783,304.673 422.783,290.957 438.277,290.957 438.277,306.578 424.434,306.578 422.656,306.578 422.656,304.8

## Text inside footprints (layer, text, board x,y; h text height)
C140: PIN_NUMBER "1" at 333.807,289.052 h0.51 r270; PIN_NUMBER "2" at 333.807,290.068 h0.51 r270; ASSEMBLY_BOTTOM "TOLERANCE" at 331.47,289.56 h0.64 r270; ASSEMBLY_BOTTOM "USERPART#" at 330.2,289.56 h0.64 r270; SYMBOL_PART_DIM "PAD 35X32 OV" at 329.235,286.436 h0.64 r270; SYMBOL_PART_DIM "C402-35X32" at 330.505,286.436 h0.64 r270; SYMBOL_PART_DIM "0" at 331.876,289.357 h0.64 r270; SYMBOL_PART_DIM "0" at 333.68,287.223 h0.64 r270
C141: PIN_NUMBER "1" at 392.024,287.909 h1.02 r90; PIN_NUMBER "2" at 392.024,284.861 h1.02 r90; SYMB_DIM "PAD 40X70OV" at 393.675,283.591 h1.02 r90; SYMB_DIM "SM  48X78" at 396.392,284.861 h1.02 r90; SYMB_DIM "SP  40X70OV" at 397.485,283.591 h1.02 r90; SYMB_DIM "C1206-40X70" at 382.753,283.845 h1.02 r90; SYMB_DIM "0" at 396.24,287.02 h1.02 r90; SYMB_DIM "0" at 393.065,290.83 h1.02 r90; ASSEMBLY_BOTTOM "10UF" at 392.811,287.274 h1.02 r90; ASSEMBLY_BOTTOM "10%" at 392.811,286.385 h1.02 r90; ASSEMBLY_BOTTOM "X" at 392.811,285.369 h1.02 r90; ASSEMBLY_BOTTOM "+" at 392.811,289.306 h1.02 r90; Bottom Overlay "+" at 391.795,289.179 h0.89 r90
C142: PIN_NUMBER "2" at 394.132,288.163 h0.51 r270; PIN_NUMBER "1" at 394.132,287.147 h0.51 r270; ASSEMBLY_BOTTOM "0.1uF" at 394.335,287.655 h0.64 r270; ASSEMBLY_BOTTOM "TOLERANCE" at 391.795,287.655 h0.64 r270; ASSEMBLY_BOTTOM "USERPART#" at 390.525,287.655 h0.64 r270; SYMBOL_PART_DIM "PAD 35X32 OV" at 389.56,284.531 h0.64 r270; SYMBOL_PART_DIM "C402-35X32" at 390.83,284.531 h0.64 r270; SYMBOL_PART_DIM "0" at 392.201,287.452 h0.64 r270; SYMBOL_PART_DIM "0" at 394.005,285.318 h0.64 r270
C143: PIN_NUMBER "1" at 358.699,302.26 h0.51 r180; PIN_NUMBER "2" at 359.715,302.26 h0.51 r180; ASSEMBLY_BOTTOM "0.1uF" at 359.41,302.26 h0.64 r180; ASSEMBLY_BOTTOM "TOLERANCE" at 359.41,304.8 h0.64 r180; ASSEMBLY_BOTTOM "USERPART#" at 359.41,306.07 h0.64 r180; SYMBOL_PART_DIM "PAD 35X32 OV" at 356.286,307.035 h0.64 r180; SYMBOL_PART_DIM "C402-35X32" at 356.286,305.765 h0.64 r180; SYMBOL_PART_DIM "0" at 359.207,304.394 h0.64 r180; SYMBOL_PART_DIM "0" at 357.073,302.59 h0.64 r180
C144: PIN_NUMBER "1" at 363.144,307.086 h0.51 r270; PIN_NUMBER "2" at 363.144,308.102 h0.51 r270; ASSEMBLY_BOTTOM "NO POP" at 363.347,307.594 h0.64 r270; ASSEMBLY_BOTTOM "TOLERANCE" at 360.807,307.594 h0.64 r270; ASSEMBLY_BOTTOM "USERPART#" at 359.537,307.594 h0.64 r270; SYMBOL_PART_DIM "PAD 35X32 OV" at 358.572,304.47 h0.64 r270; SYMBOL_PART_DIM "C402-35X32" at 359.842,304.47 h0.64 r270; SYMBOL_PART_DIM "0" at 361.213,307.391 h0.64 r270; SYMBOL_PART_DIM "0" at 363.017,305.257 h0.64 r270
C145: PIN_NUMBER "1" at 360.477,309.118 h0.51 r90; PIN_NUMBER "2" at 360.477,308.102 h0.51 r90; ASSEMBLY_BOTTOM "0.1uF" at 360.68,308.61 h0.64 r90; ASSEMBLY_BOTTOM "TOLERANCE" at 363.22,308.61 h0.64 r90; ASSEMBLY_BOTTOM "USERPART#" at 364.49,308.61 h0.64 r90; SYMBOL_PART_DIM "PAD 35X32 OV" at 365.455,311.734 h0.64 r90; SYMBOL_PART_DIM "C402-35X32" at 364.185,311.734 h0.64 r90; SYMBOL_PART_DIM "0" at 362.814,308.813 h0.64 r90; SYMBOL_PART_DIM "0" at 361.01,310.947 h0.64 r90
C146: PIN_NUMBER "1" at 371.78,297.815 h0.51; PIN_NUMBER "2" at 370.764,297.815 h0.51; ASSEMBLY_BOTTOM "TOLERANCE" at 371.475,295.275 h0.64; ASSEMBLY_BOTTOM "USERPART#" at 371.475,294.005 h0.64; SYMBOL_PART_DIM "PAD 35X32 OV" at 374.599,293.04 h0.64; SYMBOL_PART_DIM "C402-35X32" at 374.599,294.31 h0.64; SYMBOL_PART_DIM "0" at 371.678,295.681 h0.64; SYMBOL_PART_DIM "0" at 373.812,297.485 h0.64
C147: PIN_NUMBER "1" at 386.639,303.53 h0.51 r180; PIN_NUMBER "2" at 387.655,303.53 h0.51 r180; ASSEMBLY_BOTTOM "0.1uF" at 387.35,303.53 h0.64 r180; ASSEMBLY_BOTTOM "TOLERANCE" at 387.35,306.07 h0.64 r180; ASSEMBLY_BOTTOM "USERPART#" at 387.35,307.34 h0.64 r180; SYMBOL_PART_DIM "PAD 35X32 OV" at 384.226,308.305 h0.64 r180; SYMBOL_PART_DIM "C402-35X32" at 384.226,307.035 h0.64 r180; SYMBOL_PART_DIM "0" at 387.147,305.664 h0.64 r180; SYMBOL_PART_DIM "0" at 385.013,303.86 h0.64 r180
C148: PIN_NUMBER "1" at 373.177,315.468 h0.51 r90; PIN_NUMBER "2" at 373.177,314.452 h0.51 r90; ASSEMBLY_BOTTOM "0.1uF" at 373.38,314.96 h0.64 r90; ASSEMBLY_BOTTOM "TOLERANCE" at 375.92,314.96 h0.64 r90; ASSEMBLY_BOTTOM "USERPART#" at 377.19,314.96 h0.64 r90; SYMBOL_PART_DIM "PAD 35X32 OV" at 378.155,318.084 h0.64 r90; SYMBOL_PART_DIM "C402-35X32" at 376.885,318.084 h0.64 r90; SYMBOL_PART_DIM "0" at 375.514,315.163 h0.64 r90; SYMBOL_PART_DIM "0" at 373.71,317.297 h0.64 r90
C149: PIN_NUMBER "1" at 375.717,314.452 h0.51 r270; PIN_NUMBER "2" at 375.717,315.468 h0.51 r270; ASSEMBLY_BOTTOM "TOLERANCE" at 373.38,314.96 h0.64 r270; ASSEMBLY_BOTTOM "USERPART#" at 372.11,314.96 h0.64 r270; SYMBOL_PART_DIM "PAD 35X32 OV" at 371.145,311.836 h0.64 r270; SYMBOL_PART_DIM "C402-35X32" at 372.415,311.836 h0.64 r270; SYMBOL_PART_DIM "0" at 373.786,314.757 h0.64 r270; SYMBOL_PART_DIM "0" at 375.59,312.623 h0.64 r270
C150: PIN_NUMBER "1" at 327.889,361.569 h1.02 r270; PIN_NUMBER "2" at 327.889,358.521 h1.02 r270; Top Overlay "+" at 328.168,363.22 h0.89 r270; ASSEMBLY_TOP "10uF" at 327.914,360.934 h1.02 r270; ASSEMBLY_TOP "X" at 327.914,360.045 h1.02 r270; ASSEMBLY_TOP "X" at 327.914,359.029 h1.02 r270; ASSEMBLY_TOP "+" at 327.914,362.966 h1.02 r270; SYMB_DIM "PAD 40X70OV" at 318.11,357.251 h1.02 r270; SYMB_DIM "SM  48X78" at 317.017,358.521 h1.02 r270; SYMB_DIM "SP  40X70OV" at 314.3,357.251 h1.02 r270; SYMB_DIM "C1206-40X70" at 329.032,357.505 h1.02 r270; SYMB_DIM "0" at 324.485,360.68 h1.02 r270; SYMB_DIM "0" at 327.66,364.49 h1.02 r270
C151: PIN_NUMBER "1" at 323.647,357.632 h0.51 r90; PIN_NUMBER "2" at 323.647,358.648 h0.51 r90; ASSEMBLY_TOP "TOLERANCE" at 326.39,358.14 h0.64 r90; ASSEMBLY_TOP "USERPART#" at 327.66,358.14 h0.64 r90; SYMBOL_PART_DIM "PAD 35X32 OV" at 328.625,355.016 h0.64 r90; SYMBOL_PART_DIM "C402-35X32" at 327.355,355.016 h0.64 r90; SYMBOL_PART_DIM "0" at 325.984,357.937 h0.64 r90; SYMBOL_PART_DIM "0" at 324.18,355.803 h0.64 r90
C152: PIN_NUMBER "1" at 326.187,361.823 h0.51 r270; PIN_NUMBER "2" at 326.187,360.807 h0.51 r270; ASSEMBLY_TOP "TOLERANCE" at 323.85,361.315 h0.64 r270; ASSEMBLY_TOP "USERPART#" at 322.58,361.315 h0.64 r270; SYMBOL_PART_DIM "PAD 35X32 OV" at 321.615,364.439 h0.64 r270; SYMBOL_PART_DIM "C402-35X32" at 322.885,364.439 h0.64 r270; SYMBOL_PART_DIM "0" at 324.256,361.518 h0.64 r270; SYMBOL_PART_DIM "0" at 326.06,363.652 h0.64 r270
C153: PIN_NUMBER "1" at 322.377,371.348 h0.51 r90; PIN_NUMBER "2" at 322.377,370.332 h0.51 r90; ASSEMBLY_BOTTOM "TOLERANCE" at 325.12,370.84 h0.64 r90; ASSEMBLY_BOTTOM "USERPART#" at 326.39,370.84 h0.64 r90; SYMBOL_PART_DIM "PAD 35X32 OV" at 327.355,373.964 h0.64 r90; SYMBOL_PART_DIM "C402-35X32" at 326.085,373.964 h0.64 r90; SYMBOL_PART_DIM "0" at 324.714,371.043 h0.64 r90; SYMBOL_PART_DIM "0" at 322.91,373.177 h0.64 r90
C154: PIN_NUMBER "1" at 327.457,371.983 h0.51 r90; PIN_NUMBER "2" at 327.457,370.967 h0.51 r90; ASSEMBLY_BOTTOM "TOLERANCE" at 330.2,371.475 h0.64 r90; ASSEMBLY_BOTTOM "USERPART#" at 331.47,371.475 h0.64 r90; SYMBOL_PART_DIM "PAD 35X32 OV" at 332.435,374.599 h0.64 r90; SYMBOL_PART_DIM "C402-35X32" at 331.165,374.599 h0.64 r90; SYMBOL_PART_DIM "0" at 329.794,371.678 h0.64 r90; SYMBOL_PART_DIM "0" at 327.99,373.812 h0.64 r90
C155: PIN_NUMBER "1" at 320.904,373.761 h1.02 r90; PIN_NUMBER "2" at 320.904,376.809 h1.02 r90; Top Overlay "+" at 321.437,372.11 h0.89 r90; ASSEMBLY_TOP "10uF" at 321.691,374.396 h1.02 r90; ASSEMBLY_TOP "X" at 321.691,375.285 h1.02 r90; ASSEMBLY_TOP "X" at 321.691,376.301 h1.02 r90; ASSEMBLY_TOP "+" at 321.691,372.364 h1.02 r90; SYMB_DIM "PAD 40X70OV" at 322.555,378.079 h1.02 r90; SYMB_DIM "SM  48X78" at 325.272,376.809 h1.02 r90; SYMB_DIM "SP  40X70OV" at 326.365,378.079 h1.02 r90; SYMB_DIM "C1206-40X70" at 311.633,377.825 h1.02 r90; SYMB_DIM "0" at 325.12,374.65 h1.02 r90; SYMB_DIM "0" at 321.945,370.84 h1.02 r90
C156: PIN_NUMBER "1" at 326.187,371.983 h0.51 r90; PIN_NUMBER "2" at 326.187,370.967 h0.51 r90; ASSEMBLY_BOTTOM "TOLERANCE" at 328.93,371.475 h0.64 r90; ASSEMBLY_BOTTOM "USERPART#" at 330.2,371.475 h0.64 r90; SYMBOL_PART_DIM "PAD 35X32 OV" at 331.165,374.599 h0.64 r90; SYMBOL_PART_DIM "C402-35X32" at 329.895,374.599 h0.64 r90; SYMBOL_PART_DIM "0" at 328.524,371.678 h0.64 r90; SYMBOL_PART_DIM "0" at 326.72,373.812 h0.64 r90
C157: PIN_NUMBER "1" at 323.012,374.142 h0.51 r90; PIN_NUMBER "2" at 323.012,375.158 h0.51 r90; ASSEMBLY_TOP "TOLERANCE" at 325.755,374.65 h0.64 r90; ASSEMBLY_TOP "USERPART#" at 327.025,374.65 h0.64 r90; SYMBOL_PART_DIM "PAD 35X32 OV" at 327.99,371.526 h0.64 r90; SYMBOL_PART_DIM "C402-35X32" at 326.72,371.526 h0.64 r90; SYMBOL_PART_DIM "0" at 325.349,374.447 h0.64 r90; SYMBOL_PART_DIM "0" at 323.545,372.313 h0.64 r90